# KiCad board TRX055.01.01.PB.00.00.kicad_pcb (continued)
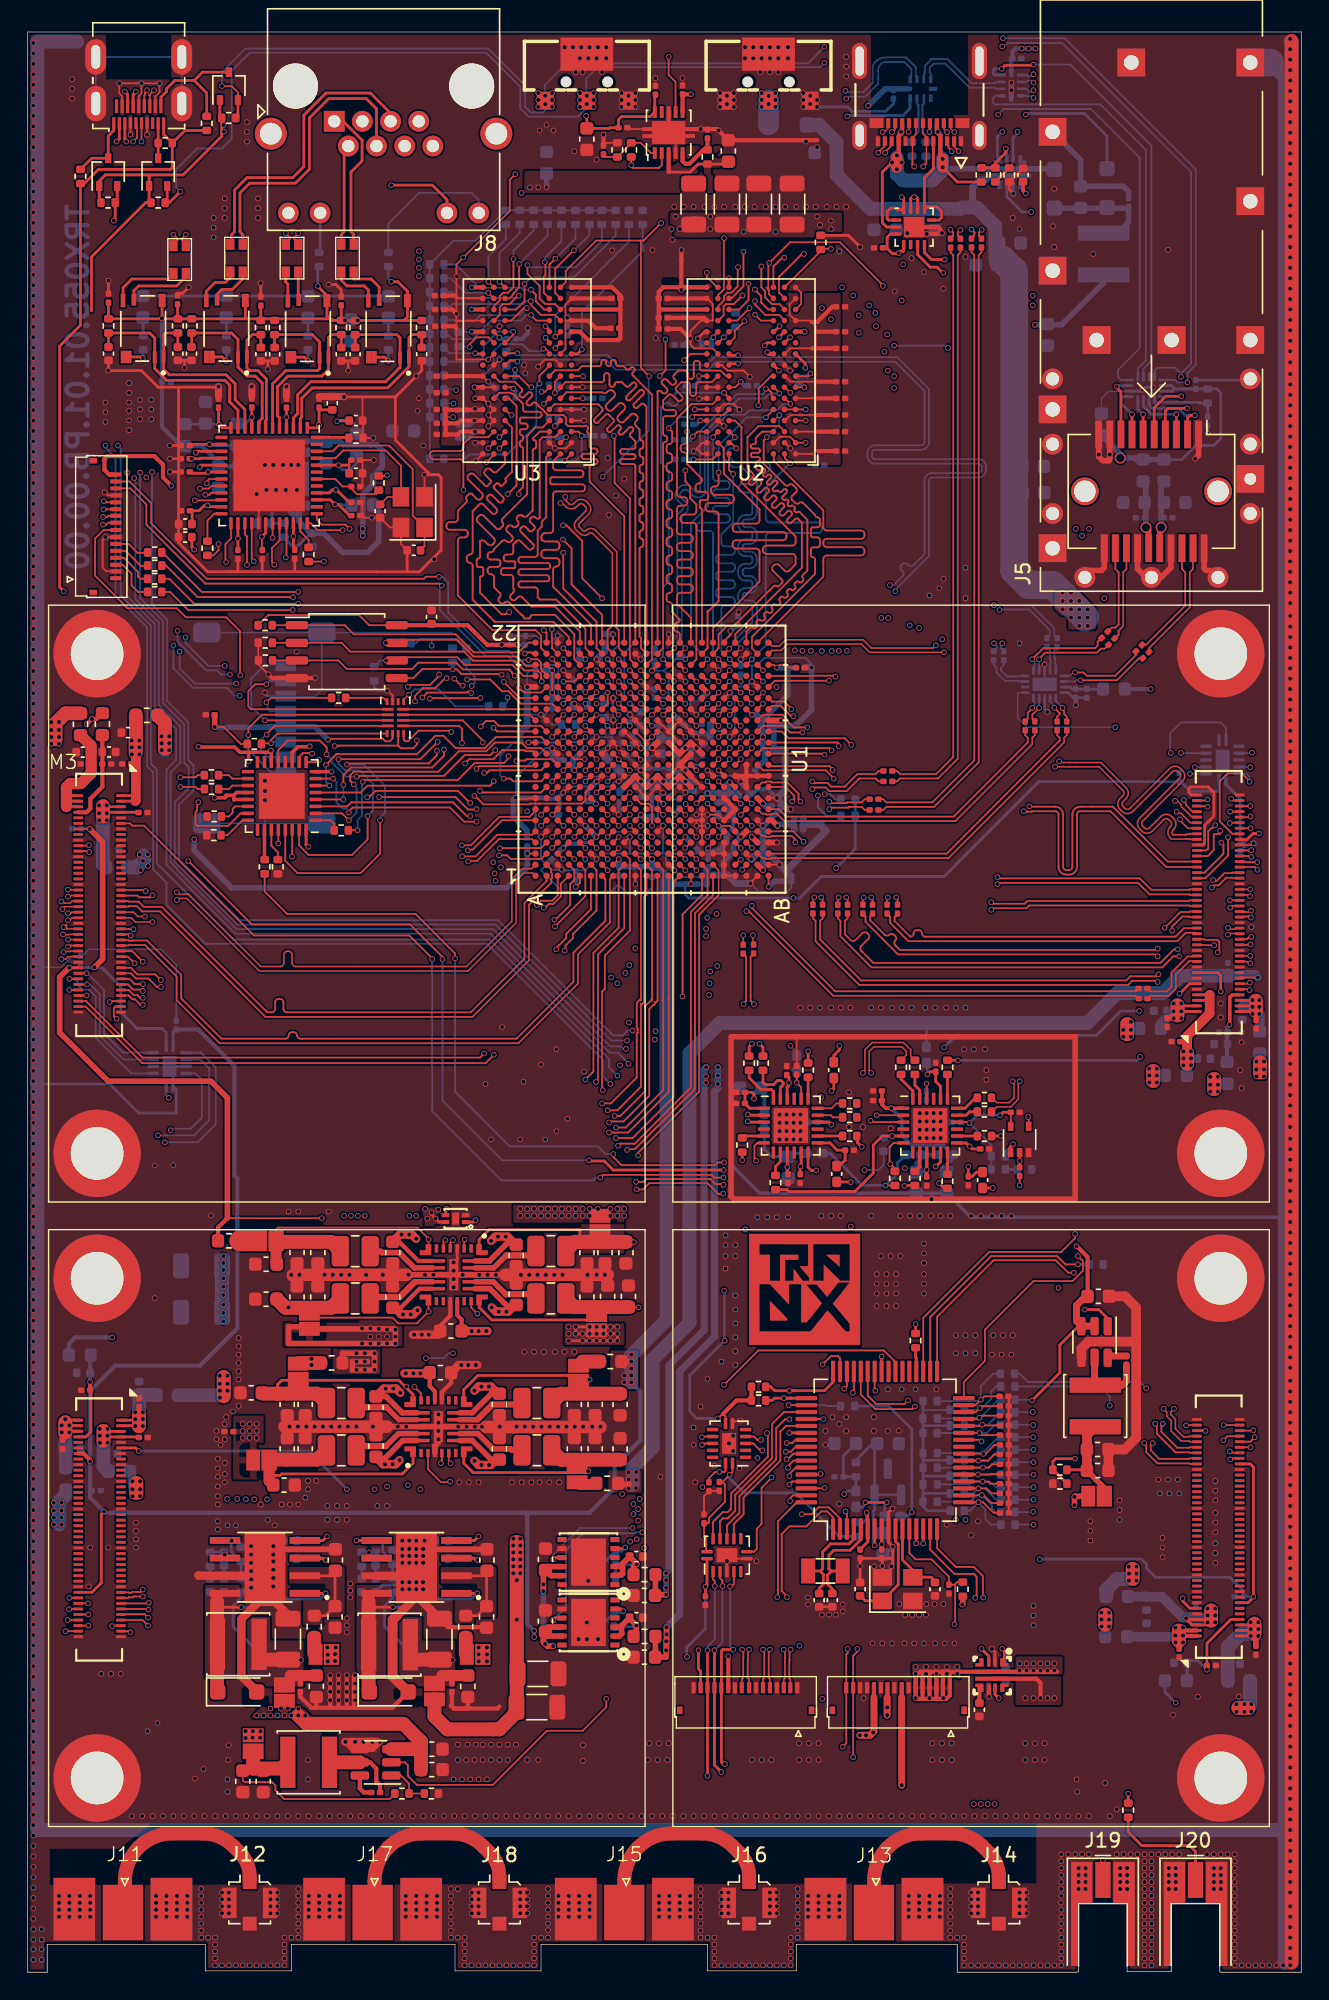
[diagram p0: board, top side]
## Routing (per net, layer and track width the routed paths; a pad name or vN(x,y) marks a point on that pad's centre or on a via; arc(x,y) is an arc through that point) (continued)
  In2.Cu w0.127: v1(12.8,106.45) 14.05,106.45 15.2,105.3 19.88,105.3 27.32,97.85 27.32,97.34 27.32,94.26 30.73,90.86 30.87,90.72 30.93,90.72 30.95,90.7 33.33,90.7 34.31,89.72 34.36,89.72 34.38,89.7 40.08,89.7 v1(40.18,89.8)
/Zynq_PSMIO/MIO_RGMII_TX3: length 39.1
  Top w0.127: v1(12.04,106.05) 13.92,106.05 U11.22 ; U1.C16 37.8,91.4 35.55,91.4 34.65,92.3 34.17,92.3 33.33,93.15 v1(31.67,93.15)
  In2.Cu w0.127: v1(12.04,106.05) 12,106.09 12,107.2 12.5,107.7 13.45,107.7 15.37,105.78 20.04,105.78 27.78,98.04 27.78,97.15 27.78,94.45 29.73,92.5 30.6,92.5 31.25,93.15 v1(31.67,93.15)
/Zynq_PSMIO/MIO_RGMII_TX_CLK: length 36.5
  Top w0.127: v1(32.35,86.71) 32.54,86.9 36.5,86.9 U1.A11 ; v1(13.75,102.9) 13.75,102.45 13.39,102.09 R57.1
  In2.Cu w0.127: v1(32.35,86.71) 32.14,86.5 28.72,86.5 26.64,88.58 26.64,97.57 21.66,102.55 14.45,102.55 14.1,102.9 v1(13.75,102.9)
/Zynq_PSMIO/MIO_RGMII_TX_CTL: length 42.8
  Top w0.127: U11.25 14.65,103.3 14.25,102.9 14.25,101.65 v1(14.3,101.6) ; U1.G11 v1(41,86.6)
  In2.Cu w0.127: 40.88,86.6 v1(41,86.6) 40.6,86.2 39.25,86.2 39,86.45 39,86.72 38.72,87 38.4,87 38,86.6 33.78,86.6 33.08,85.9 28.5,85.9 25.34,89.06 25.34,96.21 19.25,102.3 15.4,102.3 14.7,101.6 v1(14.3,101.6)
/Zynq_PSMIO/MIO_SD_CLK: length 5.6
  Top w0.127: v1(34.59,91.84) 34.59,91.79 ; U1.D17 v1(38.6,91.4)
  In2.Cu w0.127: v1(38.6,91.4) 38.4,91.6 34.84,91.6 v1(34.59,91.84)
  Bottom w0.127: R145.2 34.59,91.55 v1(34.59,91.84)
/Zynq_PSMIO/MIO_SD_CMD: length 14
  Top w0.127: U10.16 27.1,88.8 27.2,88.7 27.42,88.7 28.17,89.45 30.45,89.45 30.53,89.37 v1(30.55,89.37) ; U1.E14 v1(39.4,89)
  In2.Cu w0.127: v1(39.4,89) 39,89.4 37.53,89.4 37.47,89.35 33.77,89.35 33.72,89.3 33.42,89.3 33.32,89.4 32.82,89.4 32.81,89.39 32.51,89.39 32.5,89.4 30.58,89.4 v1(30.55,89.37)
/Zynq_PSMIO/MIO_SD_D0: length 9.6
  Top w0.127: U1.A16 U10.4
/Zynq_PSMIO/MIO_SD_D1: length 15.7
  Top w0.127: U10.2 31.35,90.2 32.8,88.75 v1(32.8,88.6) ; U1.E13 v1(40.2,89)
  In2.Cu w0.127: v1(32.8,88.6) 32.86,88.66 ; 32.86,88.66 33.57,88.66 ; 32.86,88.66 35.54,88.66 35.74,88.46 35.74,88.45 35.95,88.24 35.96,88.24 36,88.2 37,88.2 37.4,88.6 U1.E13 v1(40.2,89)
/Zynq_PSMIO/MIO_SD_D2: length 9.7
  Top w0.127: U10.3 36.2,90.6 U1.A15
/Zynq_PSMIO/MIO_SD_D3: length 16.8
  Top w0.127: U10.1 31.1,89.8 31.3,89.6 v1(31.3,88.56) ; U1.F12 v1(41,87.4)
  In2.Cu w0.127: v1(31.3,88.56) 33.02,86.84 37.84,86.84 38.25,87.25 39.4,87.25 39.65,87 40.6,87 v1(41,87.4)
/Zynq_PSMIO/MIO_ULPI_CLK: length 23
  Top w0.127: U1.D12 39.4,87.4 v1(40.15,87.4) ; R26.2 v1(23.78,82.28) ; 34.8,87.6 34.33,87.13 32.23,87.13 31,85.9 24.28,85.9 24.18,85.8 24.18,85.74 v1(24.15,85.77)
  In2.Cu w0.127: v1(34.65,87.61) 34.78,87.74 35.43,87.74 35.78,87.39 37.89,87.39 38.13,87.63 39.52,87.63 39.75,87.4 v1(40.15,87.4)
  Bottom w0.127: v1(23.78,82.28) 23.78,83.03 24.1,83.35 24.1,85.61 24.15,85.66 v1(24.15,85.77)
/Zynq_PSMIO/MIO_ULPI_D0: length 21.3
  Top w0.127: v1(31.9,83.3) 31.65,83.3 30.66,84.29 23.31,84.29 23.03,84 U12.3 ; U1.E10 v1(39.4,85.8)
  In2.Cu w0.127: v1(39.4,85.8) 39.04,85.44 38.52,85.44 38.2,85.12 38.2,84.88 37.94,84.62 37.58,84.62 37.12,85.08 35.07,85.08 34.72,84.72 34.7,84.72 34.53,84.55 33.93,84.55 32.68,83.3 v1(31.9,83.3)
/Zynq_PSMIO/MIO_ULPI_D1: length 21.6
  Top w0.127: v1(22.75,85.55) 22.75,86.25 23.3,86.8 29.15,86.8 30,87.65 v1(30,88.1) ; v1(32.66,89.76) 32.66,89.77 33.04,90.15 33.6,90.15 33.94,89.81 36.99,89.81 U1.B14 ; U12.4 v1(22.75,84.5)
  In2.Cu w0.127: v1(32.66,89.76) 32.41,90 30.5,90 30,89.5 v1(30,88.1)
  Bottom w0.127: v1(22.75,84.5) v1(22.75,85.55)
/Zynq_PSMIO/MIO_ULPI_D2: length 19.1
  Top w0.127: v1(38.6,86.6) U1.D11 ; U12.5 24,85 24.49,85.49 33.33,85.49 33.59,85.76 v1(33.59,85.82)
  In2.Cu w0.127: v1(38.6,86.6) 38.37,86.37 34.15,86.37 v1(33.59,85.82)
/Zynq_PSMIO/MIO_ULPI_D3: length 20.3
  Top w0.127: v1(21.5,87) 22.04,87.54 22.04,87.55 22.25,87.76 22.26,87.76 22.27,87.77 28.07,87.77 29.39,89.09 29.96,89.09 30.85,88.2 32.95,88.2 33.75,89 35.3,89 ; 35.3,89 35.2,89 ; 35.3,89 37,89 U1.B13 ; U12.6 v1(21.75,85.5)
  Bottom w0.127: v1(21.75,85.5) 21.5,85.75 v1(21.5,87)
/Zynq_PSMIO/MIO_ULPI_D4: length 22.9
  Top w0.127: v1(32.35,82.9) 31.46,82.9 30.44,83.92 23.42,83.92 23.15,83.65 v1(23.15,83.55) ; v1(22,86) U12.7 ; U1.E9 v1(39.4,85)
  In2.Cu w0.127: v1(39.4,85) 39.4,84.88 39.02,84.5 38.14,84.5 38.03,84.4 37.48,84.4 37.28,84.6 35.72,84.6 35.33,84.2 34.05,84.2 32.75,82.9 v1(32.35,82.9)
  Bottom w0.127: v1(23.15,83.55) 23.15,83.65 22.95,83.85 22.7,83.85 22.25,84.3 22.25,85.75 v1(22,86)
/Zynq_PSMIO/MIO_ULPI_D5: length 21.7
  Top w0.127: U12.9 20.84,87.19 v1(21,87.35) ; v1(32.35,83.8) 32.33,83.78 31.72,83.78 30.83,84.67 v1(25.33,84.67) ; U1.C9 v1(37.8,85)
  In2.Cu w0.127: v1(32.35,83.8) 32.75,83.8 33.9,84.95 34.57,84.95 34.57,84.95 34.62,84.95 35.02,85.34 37.42,85.34 37.55,85.21 37.59,85.21 v1(37.8,85) ; v1(25.33,84.67) 25.25,84.75 25.25,84.77 24.92,85.1 21.47,85.1 21,85.58 v1(21,87.35)
/Zynq_PSMIO/MIO_ULPI_D6: length 24.9
  Top w0.127: v1(20.5,87.8) 20.45,87.85 19.85,87.85 19.56,87.56 U12.10 ; U1.D10 v1(38.6,85.8) ; v1(24.47,84.66) 24.54,84.73 24.68,84.73 25.07,85.12 31,85.12 31.88,84.25 v1(31.9,84.25)
  In2.Cu w0.127: v1(24.47,84.66) 24.11,84.66 23.45,84 21.6,84 20.5,85.1 v1(20.5,87.8) ; v1(38.6,85.8) 38.4,85.8 38.2,85.6 38.12,85.6 37.95,85.44 37.65,85.44 37.51,85.57 34.87,85.57 34.47,85.17 33.47,85.17 32.55,84.25 31.85,84.25
/Zynq_PSMIO/MIO_ULPI_D7: length 25
  Top w0.127: v1(21.55,87.75) 21.55,88.25 21.05,88.75 18.75,88.75 18.06,88.06 U12.13 ; v1(23.71,86.14) 23.89,86.14 23.95,86.2 30,86.2 31.5,87.7 33.35,87.7 v1(33.7,88.05) ; U1.C13 v1(38.6,88.2)
  In2.Cu w0.127: v1(38.6,88.2) 38.3,88.2 38.16,88.06 38.16,88.05 37.95,87.84 37.94,87.84 37.93,87.83 36.02,87.83 35.55,88.3 33.95,88.3 v1(33.7,88.05)
  Bottom w0.127: v1(21.55,87.75) 21.9,87.4 21.9,87.17 22.94,86.14 v1(23.71,86.14)
/Zynq_PSMIO/MIO_ULPI_DIR: length 36.2
  Top w0.127: v1(32.63,91.81) 32.27,91.81 32.26,91.8 29.02,91.8 v1(28.99,91.76) ; U12.31 19.56,81.19 20.25,80.5 23.38,80.5 24.5,81.62 v1(24.5,83.3) ; v1(22.4,87.4) 28.3,87.4 v1(29.55,88.65) ; U1.C15 v1(38.6,90.6)
  In2.Cu w0.127: v1(29.55,88.65) 29.55,89.15 29,89.7 29,91.36 28.99,91.38 v1(28.99,91.76) ; v1(38.6,90.6) 38.4,90.6 38.04,90.96 35.36,90.96 35.25,90.85 34.45,90.85 33.49,91.81 v1(32.63,91.81)
  Bottom w0.127: v1(24.5,83.3) 24.88,83.68 24.88,85.62 23.91,86.59 22.88,86.59 22.39,87.09 22.39,87.39 v1(22.4,87.4)
/Zynq_PSMIO/MIO_ULPI_NXT: length 21.7
  Top w0.127: v1(23.15,83) 22.65,83.5 U12.2 ; U1.B12 36.99,88.21 35.98,88.21 35.6,88.58 35.6,88.6 33.67,88.6 33.04,87.97 31.07,87.97 29.6,86.5 23.5,86.5 23.25,86.25 23.25,85.85 23.3,85.8 23.3,85.79 v1(23.5,85.59)
  Bottom w0.127: v1(23.5,85.59) 23.7,85.39 23.7,83.55 v1(23.15,83)
/Zynq_PSMIO/MIO_ULPI_STP: length 42.4
  Top w0.127: U12.29 18.56,80.08 19.45,79.19 23.99,79.19 25.4,80.6 v1(25.4,83) ; v1(31.96,92.17) 31.86,92.27 31.72,92.27 31.65,92.2 28.8,92.2 v1(28.45,91.85) ; v1(29.5,88) 29.5,87.7 28.9,87.1 23.08,87.1 v1(23,87.02) ; U1.D15 v1(39.4,90.6)
  In2.Cu w0.127: v1(39.4,90.6) 39.04,90.96 38.53,90.96 38.45,91.04 38.45,91.04 38.24,91.25 38.24,91.25 38.19,91.3 35.3,91.3 35.19,91.19 34.75,91.19 34.46,91.48 34.44,91.48 34.23,91.69 34.01,91.69 33.6,92.1 32.93,92.1 32.76,92.27 32.06,92.27 v1(31.96,92.17) ; v1(29.5,88) 28.45,89.05 v1(28.45,91.85)
  Bottom w0.127: v1(23,87.02) 23.02,87 24.25,87 25.75,85.5 25.75,83.55 25.4,83.2 v1(25.4,83)
/ZYNQ_REF_CLK: length 141.6
  Top w0.127: v1(11.57,80.06) 11.59,80.06 16.15,75.5 27.55,75.5 30,73.05 ; U1.F16 v1(40.2,91.4)
  Top w0.2: v1(40.45,58.5) 40.5,58.45 41.55,58.45 42.2,57.8 v1(50.17,57.8) ; v1(60.12,59.47) 59.8,59.79 59.8,60.21 R76.2
  In2.Cu w0.127: 18.18,107.53 23.02,107.53 27.32,103.23 27.32,100.42 30.5,97.24 30.5,94.89 32.95,92.44 33.65,92.44 33.87,92.22 35.21,92.22 35.25,92.19 35.55,92.19 35.59,92.22 36.93,92.22 37.31,91.84 37.64,91.84 37.65,91.84 37.95,91.84 37.96,91.84 37.97,91.83 38.49,91.83 38.56,91.76 38.75,91.76 38.77,91.75 39.23,91.75 39.25,91.76 39.55,91.76 39.92,91.4 v1(40.2,91.4) ; 18.18,107.53 15.71,107.53 13.67,109.57 13,109.57 12.14,110.43 9.58,110.43 8.57,109.42 8.57,107.72 v1(8.55,107.7) ; 18.18,107.53 18.11,107.53
  In2.Cu w0.2: v1(50.17,57.8) 50.22,57.75 50.62,57.75 50.72,57.65 51.05,57.65 52.1,56.6 57.15,56.6 60.02,59.47 v1(60.12,59.47)
  In4.Cu w0.2: 11.58,80.07 11.15,80.5 11.15,84.05 12.28,85.17 12.28,87.45 11.85,87.88 11.85,96.85 8.55,100.15 v1(8.55,107.7)
  Bottom w0.127: v1(29.9,73) 29.9,62.8 34.2,58.5 v1(40.45,58.5)
/ZynqConfig/JTAG_TCK: length 49.5
  Top w0.127: R18.1 10.26,99.45 11.56,98.15 v1(19.1,98.15) ; U1.H11 v1(41.8,86.6)
  In2.Cu w0.127: v1(19.1,98.15) 19.92,98.15 22.55,95.53 22.55,88.15 23.42,87.29 23.42,87.28 29.11,81.59 29.11,81.59 29.14,81.57 33.57,81.57 34.24,82.24 34.24,82.24 41.21,82.24 41.44,82.46 41.44,83.64 41.6,83.8 42,83.8 42.49,84.29 42.49,85.31 42.26,85.54 42.26,85.66 42.2,85.72 42.2,86.2 v1(41.8,86.6)
/ZynqConfig/JTAG_TDI: length 47.4
  Top w0.127: R20.1 9.97,101.35 12.24,99.08 18.91,99.08 18.92,99.06 v1(19.12,99.06) ; U1.H9 v1(41.8,85)
  In2.Cu w0.127: 35.95,83.6 35.78,83.42 34.7,83.42 33.3,82.02 29.41,82.02 29.33,82.02 29.3,82.04 29.3,82.04 23.87,87.47 23.87,87.48 23.01,88.34 23.01,95.95 19.89,99.06 v1(19.12,99.06) ; v1(41.8,85) 41.6,85 41.2,84.6 40.8,84.6 40.2,84 40.2,83.38
  In4.Cu w0.127: v1(36,83.65) 36.37,84.02 37.85,84.02 38,83.88 39.97,83.88 40.2,83.65 v1(40.2,83.4)
/ZynqConfig/JTAG_TDO: length 46.2
  Top w0.127: R21.1 9.7,102.3 12.55,99.45 v1(19.5,99.45) ; U1.G9 v1(41,85)
  In2.Cu w0.127: v1(41,85) 40.6,85 39.38,83.78 38.6,83.78 38.53,83.85 37.03,83.85 36.73,84.14 35.97,84.14 35.51,83.68 34.64,83.68 34.2,83.24 34.19,83.24 33.22,82.27 29.4,82.27 24.1,87.57 24.1,87.57 23.23,88.44 23.23,96.17 19.95,99.45 v1(19.5,99.45)
/ZynqConfig/JTAG_TMS: length 47.9
  Top w0.127: U1.H10 v1(41.8,85.8) ; v1(19.5,98.6) 12,98.6 10.2,100.4 R19.1
  In2.Cu w0.127: v1(19.5,98.6) 19.92,98.6 22.78,95.75 22.78,88.25 23.64,87.38 23.64,87.38 29.21,81.82 29.21,81.82 29.23,81.79 33.39,81.79 34.6,83 40.67,83 41.11,83.43 41.11,83.83 41.32,84.04 41.32,84.24 41.72,84.64 41.95,84.64 42.16,84.85 42.16,85.15 42,85.32 42,85.6 v1(41.8,85.8)
/ZynqDDR/DDR_A0: length 95.7
  Top w0.127: 36.26,119.4 36.66,119 37.61,119 ; v1(52.43,119.42) 52.85,119 U2.N3
  Top w0.2: U1.M19 v1(45.8,93)
  In2.Cu w0.127: v1(36.28,119.4) 36.7,119.82 38.79,119.82 39.08,119.53 40.37,119.53 40.48,119.42 42.36,119.42 arc(42.52,119.35) 42.59,119.19 arc(42.66,119.03) 42.82,118.96 42.96,118.96 arc(43.12,119.03) 43.19,119.19 43.19,119.62 arc(43.25,119.77) 43.39,119.83 43.58,119.83 arc(43.73,119.77) 43.79,119.62 43.79,119.19 arc(43.86,119.03) 44.02,118.96 44.16,118.96 arc(44.32,119.03) 44.39,119.19 arc(44.46,119.35) 44.62,119.42 v1(52.43,119.42) ; v1(45.8,93) 45.8,94.1 45.66,94.24 45.65,94.24 45.44,94.45 45.44,94.46 45.4,94.5 45.4,96.4 45.72,96.72 arc(45.78,96.86) 45.72,97 45.54,97.18 arc(45.48,97.32) 45.54,97.46 45.61,97.53 arc(45.75,97.59) 45.89,97.53 46.71,96.72 arc(46.85,96.66) 46.99,96.72 47.06,96.79 arc(47.12,96.93) 47.06,97.07 46.71,97.42 arc(46.65,97.57) 46.71,97.71 46.78,97.78 arc(46.92,97.84) 47.06,97.78 47.41,97.42 arc(47.56,97.37) 47.7,97.42 47.77,97.5 arc(47.83,97.64) 47.77,97.78 47.41,98.13 arc(47.36,98.27) 47.41,98.41 47.49,98.49 arc(47.63,98.54) 47.77,98.49 48.12,98.13 arc(48.26,98.07) 48.4,98.13 48.48,98.2 arc(48.53,98.34) 48.48,98.49 48.12,98.84 arc(48.06,98.98) 48.12,99.12 48.19,99.19 arc(48.33,99.25) 48.48,99.19 48.83,98.84 arc(48.97,98.78) 49.11,98.84 49.18,98.91 arc(49.24,99.05) 49.18,99.19 48.83,99.55 arc(48.77,99.69) 48.83,99.83 48.9,99.9 arc(49.04,99.96) 49.18,99.9 49.54,99.55 arc(49.68,99.49) 49.82,99.55 49.89,99.62 arc(49.95,99.76) 49.89,99.9 49.54,100.25 arc(49.48,100.39) 49.54,100.54 49.61,100.61 arc(49.75,100.67) 49.89,100.61 50.24,100.25 arc(50.38,100.19) 50.53,100.25 50.6,100.32 arc(50.66,100.47) 50.6,100.61 50.24,100.96 arc(50.18,101.1) 50.24,101.24 50.31,101.31 arc(50.46,101.37) 50.6,101.31 50.95,100.96 arc(51.09,100.9) 51.23,100.96 51.3,101.03 arc(51.36,101.17) 51.3,101.31 50.95,101.67 arc(50.89,101.81) 50.95,101.95 51.6,102.6 arc(51.74,102.54) 51.8,102.4 51.8,102.05 arc(51.86,101.91) 52,101.85 52.1,101.85 arc(52.24,101.91) 52.3,102.05 52.3,102.4 arc(52.36,102.54) 52.5,102.6 52.6,102.6 arc(52.72,102.55) 52.78,102.42 arc(52.83,102.3) 52.95,102.25 53.1,102.25 arc(53.22,102.3) 53.28,102.42 arc(53.33,102.55) 53.45,102.6 53.6,102.6 arc(53.72,102.55) 53.78,102.42 arc(53.83,102.3) 53.95,102.25 54.1,102.25 arc(54.22,102.3) 54.28,102.42 arc(54.33,102.55) 54.45,102.6 54.6,102.6 arc(54.72,102.55) 54.78,102.42 arc(54.83,102.3) 54.95,102.25 55.1,102.25 arc(55.22,102.3) 55.28,102.42 arc(55.33,102.55) 55.45,102.6 55.6,102.6 arc(55.72,102.55) 55.78,102.42 arc(55.83,102.3) 55.95,102.25 56.1,102.25 arc(56.22,102.3) 56.28,102.42 arc(56.33,102.55) 56.45,102.6 56.6,102.6 arc(56.72,102.55) 56.78,102.42 arc(56.83,102.3) 56.95,102.25 57.1,102.25 arc(57.22,102.3) 57.28,102.42 arc(57.33,102.55) 57.45,102.6 57.6,102.6 arc(57.72,102.55) 57.78,102.42 arc(57.83,102.3) 57.95,102.25 58.1,102.25 arc(58.22,102.3) 58.28,102.42 arc(58.33,102.55) 58.45,102.6 58.85,102.6 59.24,102.99 arc(59.3,103.13) 59.24,103.27 59.2,103.31 arc(59.14,103.45) 59.2,103.59 59.27,103.66 arc(59.42,103.72) 59.56,103.66 59.95,103.27 arc(60.09,103.21) 60.23,103.27 60.3,103.34 arc(60.36,103.48) 60.3,103.63 60.23,103.7 arc(60.17,103.84) 60.23,103.98 60.3,104.05 arc(60.44,104.11) 60.58,104.05 60.65,103.98 arc(60.79,103.92) 60.94,103.98 61.01,104.05 arc(61.07,104.19) 61.01,104.33 60.94,104.4 arc(60.88,104.54) 60.94,104.69 61.01,104.76 arc(61.15,104.82) 61.29,104.76 61.36,104.69 arc(61.5,104.63) 61.64,104.69 61.71,104.76 arc(61.77,104.9) 61.71,105.04 61.64,105.11 arc(61.58,105.25) 61.64,105.39 61.8,105.55 61.8,106.1 arc(61.86,106.24) 62,106.3 arc(62.14,106.36) 62.2,106.5 62.2,106.6 arc(62.14,106.74) 62,106.8 arc(61.86,106.86) 61.8,107 61.8,107.1 arc(61.86,107.24) 62,107.3 arc(62.14,107.36) 62.2,107.5 62.2,107.6 arc(62.14,107.74) 62,107.8 arc(61.86,107.86) 61.8,108 61.8,108.1 arc(61.86,108.24) 62,108.3 arc(62.14,108.36) 62.2,108.5 62.2,108.6 arc(62.14,108.74) 62,108.8 arc(61.86,108.86) 61.8,109 61.8,109.1 arc(61.86,109.24) 62,109.3 arc(62.14,109.36) 62.2,109.5 62.2,109.6 arc(62.14,109.74) 62,109.8 arc(61.86,109.86) 61.8,110 61.8,110.45 61.41,110.84 arc(61.35,110.98) 61.41,111.12 arc(61.47,111.26) 61.41,111.4 61.34,111.48 arc(61.2,111.53) 61.06,111.48 arc(60.92,111.42) 60.77,111.48 60.3,111.95 60.3,118.63 59.9,119.03 v1(59.9,119.38)
  In4.Cu w0.127: 36.3,119.42 v1(36.28,119.4) 36.26,119.4 ; v1(59.9,119.38) 59.9,119.65 59.56,119.99 58.04,119.99 57.47,119.42 v1(52.43,119.42)
  Bottom w0.127: 30.72,117.66 30.6,117.66 30.22,118.05 R41.1 30,118.13 ; 30.72,117.66 32.07,117.66 33.4,118.99 35.53,118.99 35.94,119.4 v1(36.28,119.4) ; 30.72,117.66 30.65,117.66
/ZynqDDR/DDR_A1: length 96.3
  Top w0.127: v1(51.96,121.65) 51.96,120.48 51.28,119.8 50.58,119.8 ; 34.41,119.8 35.2,119.8 35.81,120.41 v1(35.81,121.65)
  Top w0.2: U1.M18 v1(45.8,92.2)
  In2.Cu w0.127: v1(45.8,92.2) 46.21,92.61 46.21,95.55 46.69,96.03 arc(46.81,96.08) 46.94,96.03 arc(47.06,95.98) 47.18,96.03 47.36,96.2 arc(47.41,96.33) 47.36,96.45 arc(47.31,96.57) 47.36,96.7 47.54,96.88 arc(47.66,96.93) 47.78,96.88 arc(47.91,96.82) 48.03,96.88 48.21,97.05 arc(48.26,97.18) 48.21,97.3 arc(48.16,97.42) 48.21,97.55 48.39,97.72 arc(48.51,97.78) 48.63,97.72 arc(48.76,97.67) 48.88,97.72 49.06,97.9 arc(49.11,98.02) 49.06,98.15 arc(49.01,98.27) 49.06,98.4 49.23,98.57 arc(49.36,98.62) 49.48,98.57 arc(49.61,98.52) 49.73,98.57 49.91,98.75 arc(49.96,98.87) 49.91,99 arc(49.85,99.12) 49.91,99.24 50.08,99.42 arc(50.21,99.47) 50.33,99.42 arc(50.45,99.37) 50.58,99.42 50.75,99.6 arc(50.81,99.72) 50.75,99.85 arc(50.7,99.97) 50.75,100.09 50.93,100.27 arc(51.05,100.32) 51.18,100.27 arc(51.3,100.22) 51.43,100.27 51.6,100.45 arc(51.65,100.57) 51.6,100.69 arc(51.55,100.82) 51.6,100.94 51.78,101.12 arc(51.9,101.17) 52.03,101.12 arc(52.15,101.07) 52.27,101.12 52.45,101.29 arc(52.5,101.42) 52.45,101.54 arc(52.4,101.67) 52.45,101.79 52.66,102 53.96,102 arc(54.09,101.95) 54.14,101.83 arc(54.19,101.7) 54.31,101.65 54.56,101.65 arc(54.69,101.7) 54.74,101.83 arc(54.79,101.95) 54.91,102 55.16,102 arc(55.29,101.95) 55.34,101.83 arc(55.39,101.7) 55.51,101.65 55.76,101.65 arc(55.89,101.7) 55.94,101.83 arc(55.99,101.95) 56.11,102 56.36,102 arc(56.49,101.95) 56.54,101.83 arc(56.59,101.7) 56.71,101.65 56.96,101.65 arc(57.09,101.7) 57.14,101.83 arc(57.19,101.95) 57.31,102 57.56,102 arc(57.69,101.95) 57.74,101.83 arc(57.79,101.7) 57.91,101.65 58.16,101.65 arc(58.29,101.7) 58.34,101.83 arc(58.39,101.95) 58.51,102 59.3,102 59.76,102.46 arc(59.93,102.53) 60.1,102.46 60.22,102.34 arc(60.39,102.27) 60.56,102.34 60.64,102.42 arc(60.71,102.59) 60.64,102.76 60.52,102.88 arc(60.45,103.05) 60.52,103.22 60.61,103.31 arc(60.78,103.38) 60.95,103.31 61.07,103.19 arc(61.24,103.12) 61.41,103.19 61.49,103.27 arc(61.56,103.44) 61.49,103.61 61.37,103.73 arc(61.3,103.9) 61.37,104.07 61.46,104.16 arc(61.63,104.23) 61.8,104.16 61.92,104.04 arc(62.09,103.97) 62.26,104.04 62.34,104.12 arc(62.41,104.29) 62.34,104.46 62.22,104.58 arc(62.15,104.75) 62.22,104.92 62.45,105.15 62.45,105.8 arc(62.52,105.97) 62.69,106.04 62.76,106.04 arc(62.93,106.11) 63,106.28 63,106.4 arc(62.93,106.57) 62.76,106.64 62.69,106.64 arc(62.52,106.71) 62.45,106.88 62.45,107 arc(62.52,107.17) 62.69,107.24 62.76,107.24 arc(62.93,107.31) 63,107.48 63,107.6 arc(62.93,107.77) 62.76,107.84 62.69,107.84 arc(62.52,107.91) 62.45,108.08 62.45,108.2 arc(62.52,108.37) 62.69,108.44 62.76,108.44 arc(62.93,108.51) 63,108.68 63,108.8 arc(62.93,108.97) 62.76,109.04 62.69,109.04 arc(62.52,109.11) 62.45,109.28 62.45,109.4 arc(62.52,109.57) 62.69,109.64 62.76,109.64 arc(62.93,109.71) 63,109.88 63,110 arc(62.93,110.17) 62.76,110.24 62.69,110.24 arc(62.52,110.31) 62.45,110.48 62.45,110.7 61.53,111.62 arc(61.46,111.79) 61.53,111.96 61.58,112.01 arc(61.65,112.18) 61.58,112.35 61.5,112.43 arc(61.33,112.5) 61.16,112.43 61.11,112.38 arc(60.94,112.31) 60.77,112.38 60.65,112.5 60.65,113.8 arc(60.69,113.89) 60.78,113.92 arc(60.86,113.96) 60.9,114.05 60.9,114.4 arc(60.86,114.49) 60.78,114.53 arc(60.69,114.56) 60.65,114.65 60.65,115 arc(60.69,115.09) 60.78,115.12 arc(60.86,115.16) 60.9,115.25 60.9,115.6 arc(60.86,115.69) 60.78,115.72 arc(60.69,115.76) 60.65,115.85 60.65,116.2 arc(60.69,116.29) 60.78,116.33 arc(60.86,116.36) 60.9,116.45 60.9,116.8 arc(60.86,116.89) 60.78,116.92 arc(60.69,116.96) 60.65,117.05 60.65,117.4 arc(60.69,117.49) 60.78,117.53 arc(60.86,117.56) 60.9,117.65 60.9,118 arc(60.86,118.09) 60.78,118.12 arc(60.69,118.16) 60.65,118.25 v1(60.65,120.1) ; v1(35.81,121.65) v1(51.96,121.65)
  In4.Cu w0.127: 35.71,121.7 35.76,121.65 v1(35.81,121.65) ; v1(51.96,121.65) 52.21,121.9 53.17,121.9 arc(53.34,121.97) 53.41,122.14 53.41,122.56 arc(53.48,122.73) 53.65,122.8 53.77,122.8 arc(53.94,122.73) 54.01,122.56 54.01,122.14 arc(54.08,121.97) 54.25,121.9 54.37,121.9 arc(54.54,121.97) 54.61,122.14 54.61,122.41 arc(54.68,122.58) 54.85,122.65 54.97,122.65 arc(55.14,122.58) 55.21,122.41 55.21,122.14 arc(55.28,121.97) 55.45,121.9 55.7,121.9 arc(55.82,121.95) 55.88,122.08 arc(55.93,122.2) 56.05,122.25 56.3,122.25 arc(56.42,122.2) 56.47,122.08 arc(56.53,121.95) 56.65,121.9 56.9,121.9 arc(57.02,121.95) 57.08,122.08 arc(57.13,122.2) 57.25,122.25 57.5,122.25 arc(57.62,122.2) 57.67,122.08 57.67,121.78 arc(57.71,121.69) 57.8,121.65 58.15,121.65 arc(58.24,121.69) 58.28,121.78 58.28,122.08 arc(58.33,122.2) 58.45,122.25 58.7,122.25 arc(58.82,122.2) 58.88,122.08 arc(58.93,121.95) 59.05,121.9 60.65,120.3 v1(60.65,120.1)
  Bottom w0.127: R35.1 42.39,125.13 39.37,122.12 36.28,122.12 v1(35.81,121.65)
/ZynqDDR/DDR_A2: length 95.2
  Top w0.1: v1(52.41,121.24) 52.43,121.24
  Top w0.127: v1(52.41,121.24) 52.86,120.79 52.86,120.33 52.93,120.25 52.93,120.25 53.38,119.8 53.78,119.8 ; 36.26,121.24 v1(36.28,121.22) 36.62,120.88 36.62,120.39 37.22,119.8 37.61,119.8
  Top w0.2: U1.K19 v1(43.4,93.8)
  In2.Cu w0.127: 36.29,121.24 v1(36.28,121.22) 37.78,121.22 38.29,120.72 41.09,120.72 arc(41.16,120.69) 41.19,120.62 arc(41.22,120.55) 41.29,120.52 41.69,120.52 arc(41.76,120.55) 41.79,120.62 arc(41.82,120.69) 41.89,120.72 48.47,120.72 48.99,121.24 v1(52.41,121.24) ; 43.39,93.81 v1(43.4,93.8) 43.4,98.8 43.58,98.98 arc(43.62,99.08) 43.58,99.18 43.53,99.23 arc(43.49,99.33) 43.53,99.42 43.58,99.47 arc(43.67,99.51) 43.77,99.47 44.04,99.21 arc(44.13,99.17) 44.23,99.21 44.28,99.25 arc(44.32,99.35) 44.28,99.45 44.26,99.47 arc(44.22,99.56) 44.26,99.66 44.31,99.71 arc(44.4,99.75) 44.5,99.71 44.52,99.69 arc(44.61,99.65) 44.71,99.69 44.76,99.73 arc(44.8,99.83) 44.76,99.93 44.74,99.95 arc(44.7,100.04) 44.74,100.14 44.79,100.19 arc(44.88,100.23) 44.98,100.19 45,100.17 arc(45.1,100.13) 45.19,100.17 45.24,100.22 arc(45.28,100.31) 45.24,100.41 45.22,100.43 arc(45.18,100.52) 45.22,100.62 45.27,100.67 arc(45.36,100.71) 45.46,100.67 45.48,100.65 arc(45.58,100.61) 45.67,100.65 45.72,100.7 arc(45.76,100.79) 45.72,100.89 45.7,100.91 arc(45.66,101) 45.7,101.1 45.75,101.15 arc(45.84,101.19) 45.94,101.15 45.96,101.13 arc(46.06,101.09) 46.15,101.13 46.2,101.18 arc(46.24,101.27) 46.2,101.37 46.18,101.39 arc(46.14,101.48) 46.18,101.58 46.23,101.63 arc(46.33,101.67) 46.42,101.63 46.44,101.61 arc(46.54,101.57) 46.63,101.61 46.68,101.66 arc(46.72,101.75) 46.68,101.85 46.51,102.02 arc(46.49,102.07) 46.51,102.12 46.65,102.26 arc(46.7,102.28) 46.75,102.26 46.92,102.09 arc(47.02,102.05) 47.11,102.09 47.16,102.14 arc(47.2,102.23) 47.16,102.33 47.14,102.35 arc(47.1,102.45) 47.14,102.54 47.19,102.59 arc(47.29,102.63) 47.38,102.59 47.4,102.57 arc(47.5,102.53) 47.6,102.57 47.64,102.62 arc(47.68,102.72) 47.64,102.81 47.62,102.83 arc(47.58,102.93) 47.62,103.02 47.67,103.07 arc(47.77,103.11) 47.86,103.07 47.88,103.05 arc(47.98,103.01) 48.08,103.05 48.12,103.1 arc(48.16,103.2) 48.12,103.29 48.1,103.31 arc(48.06,103.41) 48.1,103.5 48.15,103.55 arc(48.25,103.59) 48.34,103.55 48.36,103.53 arc(48.46,103.49) 48.56,103.53 48.61,103.58 arc(48.64,103.68) 48.61,103.77 48.59,103.79 arc(48.55,103.89) 48.59,103.99 48.63,104.03 arc(48.73,104.07) 48.83,104.03 48.85,104.01 arc(48.94,103.97) 49.04,104.01 49.09,104.06 arc(49.13,104.16) 49.09,104.25 49.07,104.27 arc(49.03,104.37) 49.07,104.47 49.11,104.51 arc(49.21,104.55) 49.31,104.51 49.33,104.49 arc(49.42,104.45) 49.52,104.49 49.57,104.54 arc(49.61,104.64) 49.57,104.73 49.3,105 arc(49.26,105.1) 49.3,105.19 49.35,105.24 arc(49.44,105.28) 49.54,105.24 49.6,105.19 arc(49.69,105.15) 49.79,105.19 49.85,105.25 50.63,105.25 arc(50.73,105.21) 50.77,105.11 50.77,105.04 arc(50.81,104.94) 50.9,104.9 50.97,104.9 arc(51.07,104.94) 51.11,105.04 51.11,105.11 arc(51.15,105.21) 51.24,105.25 51.31,105.25 arc(51.41,105.21) 51.45,105.11 51.45,105.04 arc(51.49,104.94) 51.58,104.9 51.65,104.9 arc(51.75,104.94) 51.79,105.04 51.79,105.11 arc(51.83,105.21) 51.92,105.25 51.99,105.25 arc(52.09,105.21) 52.13,105.11 52.13,105.04 arc(52.17,104.94) 52.26,104.9 52.33,104.9 arc(52.43,104.94) 52.47,105.04 52.47,105.11 arc(52.51,105.21) 52.6,105.25 52.67,105.25 arc(52.72,105.27) 52.75,105.33 arc(52.77,105.38) 52.82,105.4 53.01,105.4 arc(53.06,105.38) 53.08,105.33 53.08,105.04 arc(53.12,104.94) 53.22,104.9 53.29,104.9 arc(53.39,104.94) 53.42,105.04 53.42,105.11 arc(53.46,105.21) 53.56,105.25 53.63,105.25 arc(53.73,105.21) 53.77,105.11 53.77,105.04 arc(53.8,104.94) 53.9,104.9 53.97,104.9 arc(54.07,104.94) 54.11,105.04 54.11,105.11 arc(54.14,105.21) 54.24,105.25 54.31,105.25 arc(54.41,105.21) 54.44,105.11 54.44,105.04 arc(54.48,104.94) 54.58,104.9 54.65,104.9 arc(54.75,104.94) 54.78,105.04 54.78,105.11 arc(54.82,105.21) 54.92,105.25 54.99,105.25 arc(55.09,105.21) 55.12,105.11 55.12,105.04 arc(55.16,104.94) 55.26,104.9 55.33,104.9 arc(55.43,104.94) 55.47,105.04 55.47,105.38 arc(55.5,105.46) 55.59,105.5 55.68,105.5 arc(55.77,105.46) 55.81,105.38 55.81,105.04 arc(55.84,104.94) 55.94,104.9 56.01,104.9 arc(56.11,104.94) 56.14,105.04 56.14,105.38 arc(56.18,105.46) 56.27,105.5 56.36,105.5 arc(56.45,105.46) 56.48,105.38 arc(56.52,105.29) 56.61,105.25 57.1,105.25 57.38,105.53 arc(57.47,105.57) 57.57,105.53 57.62,105.47 arc(57.72,105.43) 57.82,105.47 57.86,105.52 arc(57.9,105.61) 57.86,105.71 57.81,105.77 arc(57.77,105.86) 57.81,105.96 57.86,106.01 arc(57.95,106.05) 58.05,106.01 58.1,105.95 arc(58.2,105.91) 58.3,105.95 58.34,106 arc(58.38,106.1) 58.34,106.19 58.04,106.49 arc(58,106.59) 58.04,106.69 58.09,106.73 arc(58.19,106.77) 58.28,106.73 58.34,106.68 arc(58.43,106.64) 58.53,106.68 58.75,106.9 58.75,107.29 arc(58.73,107.34) 58.67,107.37 arc(58.62,107.39) 58.6,107.44 58.6,107.63 arc(58.62,107.68) 58.67,107.7 arc(58.73,107.73) 58.75,107.78 58.75,107.97 arc(58.71,108.07) 58.61,108.11 58.59,108.11 arc(58.49,108.15) 58.45,108.24 58.45,108.31 arc(58.49,108.41) 58.59,108.45 58.61,108.45 arc(58.71,108.49) 58.75,108.58 58.75,108.65 arc(58.73,108.7) 58.67,108.72 arc(58.62,108.75) 58.6,108.8 58.6,108.99 arc(58.62,109.04) 58.67,109.06 arc(58.73,109.09) 58.75,109.14 58.75,109.33 arc(58.73,109.38) 58.67,109.41 arc(58.62,109.43) 58.6,109.48 58.6,109.67 arc(58.62,109.72) 58.67,109.75 arc(58.73,109.77) 58.75,109.82 58.75,110.01 arc(58.73,110.06) 58.67,110.09 arc(58.62,110.11) 58.6,110.16 58.6,110.35 arc(58.62,110.4) 58.67,110.42 arc(58.73,110.45) 58.75,110.5 58.75,110.69 arc(58.73,110.74) 58.67,110.77 arc(58.62,110.79) 58.6,110.84 58.6,111.03 arc(58.62,111.08) 58.67,111.1 arc(58.73,111.13) 58.75,111.18 58.75,111.37 arc(58.73,111.42) 58.67,111.44 arc(58.62,111.47) 58.6,111.52 58.6,111.71 arc(58.62,111.76) 58.67,111.78 arc(58.73,111.81) 58.75,111.86 58.75,112.05 arc(58.73,112.1) 58.67,112.12 arc(58.62,112.15) 58.6,112.2 58.6,112.39 arc(58.62,112.44) 58.67,112.47 arc(58.73,112.49) 58.75,112.54 58.75,112.73 arc(58.73,112.78) 58.67,112.81 arc(58.62,112.83) 58.6,112.88 58.6,113.07 arc(58.62,113.12) 58.67,113.15 arc(58.73,113.17) 58.75,113.22 58.75,113.41 arc(58.73,113.46) 58.67,113.48 arc(58.62,113.51) 58.6,113.56 58.6,113.75 arc(58.62,113.8) 58.67,113.83 arc(58.73,113.85) 58.75,113.9 58.75,114.09 arc(58.73,114.14) 58.67,114.16 arc(58.62,114.19) 58.6,114.24 58.6,114.43 arc(58.62,114.48) 58.67,114.5 arc(58.73,114.53) 58.75,114.58 58.75,114.77 arc(58.73,114.82) 58.67,114.84 arc(58.62,114.87) 58.6,114.92 58.6,115.11 arc(58.62,115.16) 58.67,115.19 arc(58.73,115.21) 58.75,115.26 58.75,115.45 arc(58.73,115.5) 58.67,115.53 arc(58.62,115.55) 58.6,115.6 58.6,115.79 arc(58.62,115.84) 58.67,115.87 arc(58.73,115.89) 58.75,115.94 58.75,116.13 arc(58.73,116.18) 58.67,116.2 arc(58.62,116.23) 58.6,116.28 58.6,116.47 arc(58.62,116.52) 58.67,116.55 arc(58.73,116.57) 58.75,116.62 58.75,116.81 arc(58.73,116.86) 58.67,116.88 arc(58.62,116.91) 58.6,116.96 58.6,117.15 arc(58.62,117.2) 58.67,117.22 arc(58.73,117.25) 58.75,117.3 58.75,117.49 arc(58.73,117.54) 58.67,117.56 arc(58.62,117.59) 58.6,117.64 58.6,117.83 arc(58.62,117.88) 58.67,117.91 arc(58.73,117.93) 58.75,117.98 58.75,118.17 arc(58.71,118.27) 58.61,118.31 58.54,118.31 arc(58.44,118.35) 58.4,118.44 58.4,118.51 arc(58.44,118.61) 58.54,118.65 58.61,118.65 arc(58.71,118.69) 58.75,118.78 58.75,118.85 arc(58.73,118.9) 58.67,118.92 arc(58.62,118.95) 58.6,119 58.6,119.19 arc(58.62,119.24) 58.67,119.27 arc(58.73,119.29) 58.75,119.34 58.75,119.53 arc(58.71,119.63) 58.61,119.67 58.59,119.67 arc(58.49,119.71) 58.45,119.8 58.45,119.87 arc(58.49,119.97) 58.59,120.01 58.61,120.01 arc(58.71,120.05) 58.75,120.14 58.75,121.35 v1(58.7,121.4)
  In4.Cu w0.127: v1(58.7,121.4) 57.32,121.4 arc(57.22,121.36) 57.18,121.26 57.18,121.19 arc(57.14,121.09) 57.04,121.05 56.97,121.05 arc(56.87,121.09) 56.83,121.19 56.83,121.53 arc(56.79,121.61) 56.7,121.65 56.6,121.65 arc(56.51,121.61) 56.48,121.53 56.48,121.19 arc(56.44,121.09) 56.34,121.05 56.27,121.05 arc(56.17,121.09) 56.13,121.19 56.13,121.53 arc(56.09,121.61) 56,121.65 55.9,121.65 arc(55.81,121.61) 55.78,121.53 55.78,121.19 arc(55.74,121.09) 55.64,121.05 55.57,121.05 arc(55.47,121.09) 55.43,121.19 55.43,121.53 arc(55.39,121.61) 55.3,121.65 55.2,121.65 arc(55.11,121.61) 55.08,121.53 55.08,121.19 arc(55.04,121.09) 54.94,121.05 54.87,121.05 arc(54.77,121.09) 54.73,121.19 54.73,121.53 arc(54.69,121.61) 54.6,121.65 54.5,121.65 arc(54.41,121.61) 54.38,121.53 54.38,121.19 arc(54.34,121.09) 54.24,121.05 54.17,121.05 arc(54.07,121.09) 54.03,121.19 54.03,121.53 arc(53.99,121.61) 53.9,121.65 53.8,121.65 arc(53.71,121.61) 53.68,121.53 53.68,121.19 arc(53.64,121.09) 53.54,121.05 53.47,121.05 arc(53.37,121.09) 53.33,121.19 53.33,121.26 arc(53.29,121.36) 53.19,121.4 52.57,121.4 v1(52.41,121.24) ; 36.26,121.24 36.2,121.3
  Bottom w0.127: v1(36.28,121.22) 35.72,121.22 35.58,121.36 32.55,121.36 30.87,123.05 R11.1
